# Altium PCB SuperCapV3Control.PcbDoc (part 2 of 2)
Units mm, origin at the board's own origin, x right, y up, seen from the top; angles counter-clockwise.
Board outline 60 x 75 mm, 4 copper layers (Top Layer, POWER, GND, Bottom Layer), stack 0.354 mm thick; 188 components, 116 nets, 567 pads, 172 vias.
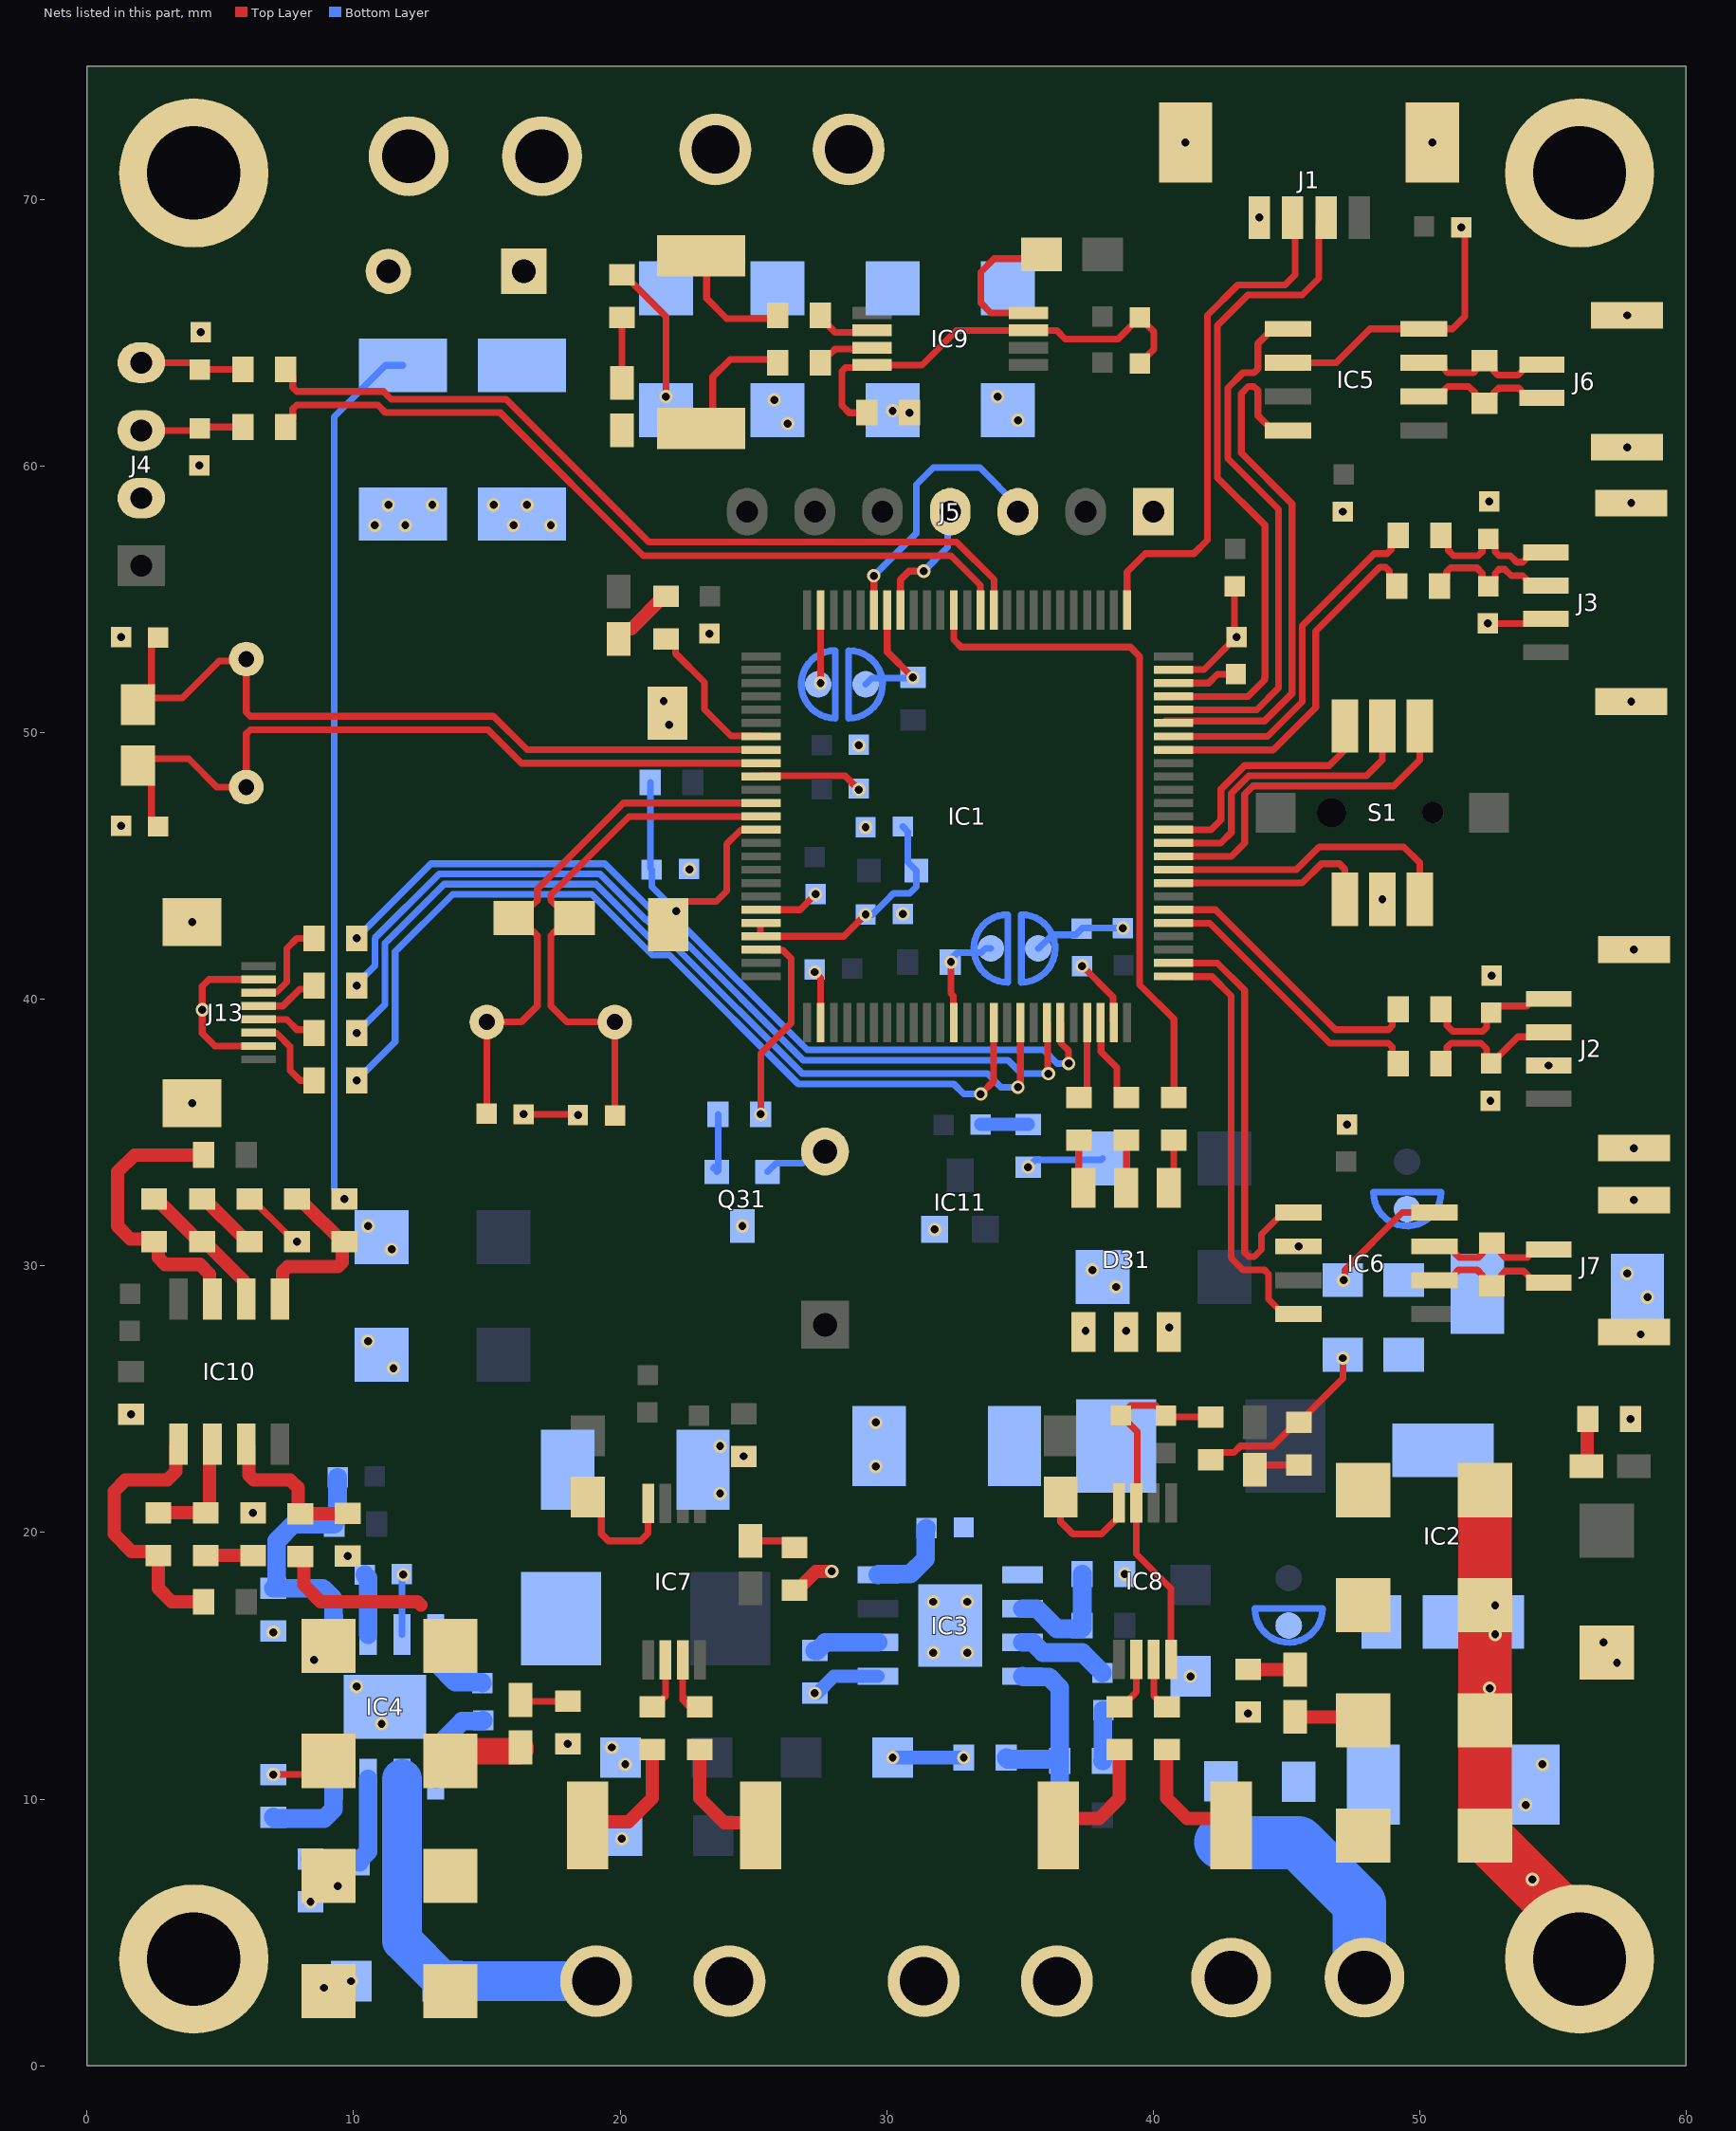
[diagram p4: the nets of this part, all layers, seen from the top]

## Via types
v1: diameter 0.5, hole 0.3, Top Layer to Bottom Layer, 172 vias

## Nets (pads, with @x,y where several pads share a name; then routed paths per layer and width w, separated by ;. In a path a pad name is that pad's centre, name@x,y a point inside that pad or via, vN(x,y) a via of type N, cw(c..) or ccw(c..) an arc to the next point about the centre after c; other vN are vias at no path point) (continued)
AGND3: C27.2 C28.1 IC8.4 IC8.7 R116.2 | length 13.6
  Top Layer w0.254: C27.2@38.788,24.389 39.164,24.765 40.099,24.765 C28.1@40.485,24.379 40.531,24.333 R116.2@42.164,24.333 ; C27.2@38.799,24.379 39.398,23.78 39.398,21.144 IC8.7@39.37,21.116 39.37,19.195 40.67,17.895 IC8.4@40.67,15.24
AGND4: C29.2 C30.1 IC9.4 IC9.7 R117.2 | length 16.8
  Top Layer w0.254: R117.2@29.261,62.005 29.256,62 28.597,62 28.321,62.276 28.321,63.563 28.456,63.697 29.349,63.697 IC9.4@29.447,63.795 31.324,63.795 32.624,65.095 IC9.7@35.323,65.095 36.378,65.095 36.703,64.77 38.685,64.77 C29.2@39.497,65.582 40.02,65.059 40.02,64.379 C30.1@39.497,63.856
AGND5: C61.1 R130.2 | length 1.8
  Bottom Layer w0.5: C61.1@33.528,35.306 R130.2@35.306,35.306
Battery_IN: C49.2 D51.A D60.K D61.K D62.K D63.K IC4.2 J8.1 R48.1 R113.1 R124.2 R125.2 | length 27.4
  Top Layer w0.5: R113.1@8.001,19.101 8.128,18.974 8.128,18.034 8.763,17.399 12.393,17.399 12.52,17.272 ; R124.2@18.786,9.017 18.913,9.144 20.32,9.144 21.209,10.033 R125.2@21.209,11.862
  Top Layer w1: D61.K@13.626,11.43 13.999,11.803 16.2,11.803 16.256,11.859 D51.A@16.256,11.938
  Bottom Layer w1.5: IC4.2@11.811,10.75 R48.1@11.811,7.62 11.811,4.693 C49.2@13.335,3.169 J8.1@19.1,3.169
BOOT0: DE1.2 IC1.94 R11.1 | length 4.8
  Top Layer w0.254: IC1.94@30.02,54.601 30.02,53.038 v1(30.988,52.07)
  Bottom Layer w0.254: DE1.2@29.21,51.816 29.443,52.049 29.823,52.049 30.967,52.049 v1(30.988,52.07)
BOOT1: DE2.2 IC1.37 R12.1 | length 4.1
  Top Layer w0.254: v1(32.414,41.402) 32.414,40.219 32.497,40.136 32.497,39.148 IC1.37@32.52,39.125
  Bottom Layer w0.254: R12.1@32.385,41.402 32.385,41.484 32.658,41.757 33.283,41.757 33.555,41.757 33.707,41.91 DE2.2@33.909,41.91
CAN1_H: IC5.7 J6.2 R52.1 | length 5.4
  Top Layer w0.254: IC5.7@50.159,63.881 50.734,63.881 50.907,63.708 50.907,63.649 51.056,63.5 52.019,63.5 52.079,63.56 52.079,63.684 52.352,63.957 R52.1@52.435,63.957 52.517,63.957 52.79,63.684 52.79,63.56 52.939,63.411 53.686,63.411 53.862,63.587 53.862,63.636 54.035,63.809 J6.2@54.585,63.809
CAN1_L: IC5.6 J6.1 R52.2 | length 5.4
  Top Layer w0.254: IC5.6@50.159,62.611 50.734,62.611 50.907,62.784 50.907,62.843 51.056,62.992 51.841,62.992 52.079,62.754 52.079,62.63 52.352,62.357 R52.2@52.435,62.357 52.517,62.357 52.79,62.63 52.79,62.754 52.966,62.93 53.713,62.93 53.862,62.781 53.862,62.732 54.035,62.559 J6.1@54.585,62.559
CAN1_RX_PA11: IC1.70 IC5.4 | length 20.3
  Top Layer w0.254: IC1.70@40.462,50.441 40.758,50.441 44.181,50.441 45.212,51.472 45.212,58.591 43.307,60.496 43.307,62.728 43.571,62.992 43.781,62.992 43.93,62.843 43.93,61.895 44.484,61.341 IC5.4@45.059,61.341
CAN1_TX_PA12: IC1.71 IC5.1 | length 20.1
  Top Layer w0.254: IC1.71@40.758,50.863 43.885,50.863 44.704,51.682 44.704,58.38 42.799,60.285 42.799,62.939 43.36,63.5 43.781,63.5 43.93,63.649 43.93,64.597 44.484,65.151 IC5.1@45.059,65.151
CAN2_H: IC6.7 J7.2 R53.1 | length 5.2
  Top Layer w0.254: IC6.7@50.556,30.734 51.131,30.734 51.304,30.561 51.304,30.502 51.491,30.315 52.201,30.315 52.35,30.464 52.35,30.588 52.623,30.861 R53.1@52.705,30.861 52.787,30.861 53.06,30.588 53.06,30.464 53.209,30.315 54.033,30.315 54.116,30.398 54.116,30.447 54.289,30.62 J7.2@54.839,30.62
CAN2_L: IC6.6 J7.1 R53.2 | length 5.3
  Top Layer w0.254: IC6.6@50.556,29.464 51.131,29.464 51.304,29.637 51.304,29.696 51.453,29.845 52.163,29.845 52.35,29.658 52.35,29.534 52.623,29.261 R53.2@52.705,29.261 52.787,29.261 53.06,29.534 53.06,29.658 53.209,29.807 53.901,29.807 54.116,29.592 54.116,29.543 54.289,29.37 J7.1@54.839,29.37
CAN2_RX_PB12: IC1.51 IC6.4 | length 16.3
  Top Layer w0.254: IC1.51@40.758,40.863 40.766,40.855 42.203,40.855 42.926,40.132 42.926,30.291 43.372,29.845 44.178,29.845 44.327,29.696 44.327,28.748 44.881,28.194 IC6.4@45.456,28.194
CAN2_TX_PB13: IC1.52 IC6.1 | length 16
  Top Layer w0.254: IC1.52@40.758,41.371 40.766,41.363 42.413,41.363 43.434,40.342 43.434,30.502 43.583,30.353 43.793,30.353 44.06,30.62 44.06,31.183 44.881,32.004 IC6.1@45.456,32.004
Cap: C57.1 C58.1 D53.A D68.K D69.K D70.K D71.K EC1.1 J12.1 R30.2 R101.2 R108.2 | length 37.7
  Top Layer w0.254: R101.2@23.038,61.42 23.476,61.858 23.476,63.354 24.13,64.008 25.781,64.008 R30.2@25.908,63.881
  Bottom Layer w0.254: v1(9.652,32.512) 9.271,32.893 9.271,61.855 11.195,63.779 C57.1@11.846,63.779
CCAP+: IC9.2 R29.1 | length 2.3
  Top Layer w0.254: R29.1@27.508,65.659 27.508,65.577 28.06,65.024 29.376,65.024 IC9.2@29.447,65.095
CCAP-: IC9.3 R30.1 | length 2.2
  Top Layer w0.254: R30.1@27.508,63.881 27.508,63.963 27.781,64.236 27.908,64.236 28.06,64.389 29.391,64.389 IC9.3@29.447,64.445
Chassis: D52.A D64.K D65.K D66.K D67.K J10.1 R26.2 R28.2 | length 7.3
  Top Layer w0.5: R28.2@40.513,11.862 40.513,10.033 41.275,9.271 42.672,9.271 R26.2@42.926,9.017 ; D52.A@45.332,13.081 47.752,13.081 D65.K@47.879,12.954
CIN+: IC7.2 R125.1 | length 2
  Top Layer w0.254: R125.1@21.209,13.462 21.291,13.462 21.7,13.87 IC7.2@21.7,15.223
CIN-: IC7.3 R123.1 | length 2.2
  Top Layer w0.254: IC7.3@22.35,15.223 22.35,13.872 22.352,13.87 22.352,13.716 22.606,13.462 R123.1@22.987,13.462
COUT+: IC8.2 R27.1 | length 2.1
  Top Layer w0.254: R27.1@38.735,13.462 38.817,13.462 39.37,14.015 IC8.2@39.37,15.24
COUT-: IC8.3 R28.1 | length 2
  Top Layer w0.254: IC8.3@40.02,15.24 40.02,13.872 40.431,13.462 R28.1@40.513,13.462
GND: C0.2 C1.1 C2.1 C3.1 C4.1 C5.1 C6.1 C7.1 C8.1 C10.1 C11.1 C12.1 C13.1 C14.1 C15.1 C16.1 C20.1 C21.1 C22.1 C23.1 C24.1 C25.1 C26.1 C41.1 C42.1 C43.1 C44.1 C45.1 C47.1 C49.1 C51.2 C53.1 C54.1 C55.2 C56.2 C57.2 C58.2 D31.2 D31.4 D31.6 D41.A D42.A D43.A D44.A D60.A D61.A D62.A D63.A D64.A D65.A D66.A D67.A D68.A D69.A D70.A D71.A D72.A D73.A D74.A D75.A D76.A DE1.1 DE2.1 EC1.2 IC1.10 IC1.20 IC1.27 IC1.74 IC1.99 IC2.1 IC3.5 IC3.9 IC4.7 IC4.9 IC5.2 IC5.8 IC6.2 IC6.8 IC11.3 J1.0 J1.4 J2.2 J2.5 J2.6 J3.2 J3.5 J3.6 J4.2 J5.1 J6.3 J6.4 J7.3 J7.4 J8.2 J9.2 J10.2 J11.2 J12.2 J13.0 J13.2 J13.7 K1.1 M3_1.1 M3_2.1 M3_3.1 M3_4.1 Q31.C R16.2 R42.1 R45.2 R46.1 R47.1 R49.1 R50.1 R100.2 R109.1 R114.1 R115.1 R116.1 R117.1 R118.1 R126.2 R130.1 R201.1 R202.1 R203.1 R204.1 R205.1 S1.2 | length 102.5
  Top Layer w0.254: R100.2@6.096,32.512 6.178,32.512 7.505,31.185 7.601,31.185 v1(7.874,30.912) ; J13.7@6.434,38.248 4.795,38.248 4.318,38.725 v1(4.318,39.607) 4.318,40.49 4.576,40.748 J13.2@6.434,40.748 ; v1(6.985,10.922) 8.546,10.922 D61.A@9.054,11.43 ; v1(16.383,35.687) 18.39,35.687 v1(18.415,35.662) ; R203.1@20.066,67.183 20.148,67.183 21.717,65.614 v1(21.717,62.611) ; IC1.20@25.282,43.363 26.751,43.363 v1(27.33,43.942) ; IC1.10@25.282,48.363 25.302,48.383 28.436,48.383 v1(28.956,47.863) ; v1(27.305,41.021) 27.52,40.806 IC1.27@27.52,39.125 ; v1(27.52,51.863) IC1.99@27.52,54.601 ; IC1.74@40.758,52.363 40.77,52.375 41.91,52.375 v1(43.129,53.594) 43.053,53.67 C3.1@43.053,55.499 ; R116.1@42.164,22.733 42.437,23.006 43.037,23.006 43.272,23.241 44.494,23.241 45.384,24.13 R205.1@45.466,24.13 45.548,24.13 45.821,24.403 45.821,24.485 47.117,25.781 v1(47.117,26.543) ; IC5.2@45.059,63.881 46.863,63.881 48.133,65.151 IC5.8@50.159,65.151 51.233,65.151 51.689,65.607 51.689,68.834 v1(51.562,68.961) ; v1(47.142,29.464) 47.189,29.511 47.189,29.841 49.352,32.004 IC6.8@50.556,32.004 ; v1(52.553,54.102) 54.57,54.102 J3.2@54.737,54.269
  Top Layer w0.5: R204.1@26.543,17.831 26.625,17.831 27.336,18.542 v1(27.94,18.542)
  Top Layer w2: D67.A@52.451,21.59 D66.A@52.451,17.272 D65.A@52.451,12.954 D64.A@52.451,8.636 55.311,5.776 55.311,4.689 M3_3.1@56,4
  Bottom Layer w0.254: IC4.7@11.811,16.174 C51.2@11.811,18.44 ; v1(35.306,33.706) 35.579,33.979 38.043,33.979 D75.A@38.1,34.036 ; DE2.1@35.687,41.91 35.709,41.91 36.216,42.417 37.086,42.418 C1.1@37.313,42.645 37.34,42.672 v1(38.862,42.672)
  Bottom Layer w0.5: v1(27.305,13.97) 27.387,13.97 28.022,14.605 IC3.5@29.673,14.605 ; v1(30.226,11.557) v1(32.893,11.557)
  Bottom Layer w2: C41.1@42.545,8.382 42.563,8.364 C42.1@45.456,8.364 47.735,6.085 47.735,3.493 J10.2@47.926,3.302
  other v1: 8.89,2.921 9.906,3.169 8.382,6.147 9.398,6.731 54.229,6.985 20.066,8.509 53.975,9.779 20.193,11.303 54.61,11.303 19.685,11.938 18.034,12.065 11.049,12.827 43.561,13.208 52.623,14.16 10.109,14.224 41.402,14.605 57.404,15.113 8.509,15.223 31.75,15.494 33.02,15.494 56.896,15.875 52.832,16.174 6.985,16.256 52.832,17.272 31.75,17.399 33.02,17.399 11.862,18.415 38.938,18.44 9.779,19.118 6.223,20.739 23.749,21.463 29.591,22.479 24.638,22.86 23.749,23.241 29.591,24.13 57.912,24.257 1.651,24.435 11.493,26.162 10.541,27.178 58.293,27.432 37.465,27.559 38.989,27.559 40.601,27.686 58.547,28.829 38.608,29.21 57.785,29.718 37.719,29.845 11.43,30.62 45.456,30.734 31.801,31.369 10.541,31.496 24.587,31.496 58.039,32.47 58.039,34.417 47.269,35.306 3.937,36.098 52.654,36.195 54.839,37.517 52.705,40.894 58.039,41.867 3.937,42.898 30.607,43.205 48.6,43.75 22.606,44.875 29.21,46.457 1.27,46.507 28.956,49.53 21.844,50.292 21.635,51.181 57.937,51.169 1.27,53.594 23.343,53.721 10.795,57.785 11.938,57.785 16.002,57.785 17.399,57.785 47.117,58.293 11.303,58.547 12.954,58.547 15.253,58.547 16.507,58.547 57.937,58.619 52.603,58.674 4.207,60.023 57.785,60.709 26.289,61.595 34.925,61.722 30.861,62.005 30.226,62.081 25.781,62.484 34.163,62.611 4.258,65.024 57.785,65.659 43.986,69.325 41.215,72.136 50.479,72.136
LED_PC13: IC1.7 R15.2 | length 5.8
  Top Layer w0.254: R15.2@21.717,53.518 21.799,53.518 22.072,53.245 22.072,52.985 23.165,51.892 23.165,50.876 24.164,49.877 25.267,49.877 IC1.7@25.282,49.863
NetB31_2: B31.2 Q31.E | length 2.8
  Bottom Layer w0.254: Q31.E@25.527,33.528 25.857,33.858 26.836,33.858 27.268,34.29 B31.2@27.686,34.29 B31.2@27.686,33.974
NetC21_2: C21.2 J2.3 R20.1 | length 5.5
  Top Layer w0.254: R20.1@50.8,37.592 51.026,37.818 51.026,38.205 51.174,38.354 52.299,38.354 52.511,38.142 52.511,37.761 52.848,37.761 53.682,38.594 54.666,38.594 J2.3@54.839,38.767
NetC22_2: C22.2 J2.4 R21.1 | length 5.3
  Top Layer w0.254: R21.1@50.8,39.624 51.026,39.398 51.026,39.011 51.238,38.798 52.362,38.798 52.511,38.947 52.511,39.328 C22.2@52.68,39.497 52.934,39.751 54.023,39.751 54.289,40.017 J2.4@54.839,40.017
NetC23_2: C23.2 J3.3 R22.1 | length 5.6
  Top Layer w0.254: R22.1@50.736,55.499 51.009,55.772 51.009,56.036 51.158,56.184 52.147,56.184 52.346,55.985 52.346,55.731 C23.2@52.578,55.499 52.832,55.753 52.832,55.985 52.981,56.134 53.191,56.134 53.435,55.89 53.865,55.89 54.014,55.741 54.014,55.692 54.187,55.519 J3.3@54.737,55.519
NetC24_2: C24.2 J3.4 R23.1 | length 5.5
  Top Layer w0.254: R23.1@50.8,57.404 51.073,57.131 51.073,56.841 51.272,56.642 52.197,56.642 52.346,56.791 52.346,57.045 C24.2@52.578,57.277 52.832,57.023 52.832,56.791 52.981,56.642 53.402,56.642 53.646,56.398 53.865,56.398 54.014,56.547 54.014,56.596 54.187,56.769 J3.4@54.737,56.769
NetC25_2: C25.2 J4.4 R25.2 | length 3.9
  Top Layer w0.254: J4.4@2.032,63.881 3.979,63.881 C25.2@4.233,63.627 R25.2@5.842,63.627
NetC26_2: C26.2 J4.3 R24.2 | length 3.9
  Top Layer w0.254: J4.3@2.032,61.341 4.154,61.341 C26.2@4.233,61.42 4.281,61.468 R24.2@5.842,61.468
NetC41_2: C41.2 C42.2 D41.K DE3.2 IC2.3
NetC43_2: C43.2 C44.2 D42.K DE4.2 IC2.2
NetC46_1: C46.1 R44.2 | length 1.9
  Bottom Layer w0.7: R44.2@38.1,11.43 38.113,11.443 38.113,13.322 C46.1@38.125,13.335
NetC46_2: C46.2 IC3.3 | length 3.5
  Bottom Layer w0.7: IC3.3@35.097,15.875 35.484,15.875 35.865,15.494 37.338,15.494 C46.2@38.1,14.732
NetC48_1: C48.1 D43.K IC3.1 L31.2
NetC48_2: C48.2 IC3.8 | length 3.2
  Bottom Layer w0.7: IC3.8@29.673,18.415 29.698,18.44 30.886,18.44 31.465,19.019 31.465,20.137 C48.2@31.496,20.168
NetC50_1: C50.1 IC4.1 | length 3.4
  Bottom Layer w0.7: IC4.1@13.081,10.75 13.106,10.775 13.106,11.963 14.066,12.923 14.828,12.923 C50.1@14.859,12.954
NetC50_2: C50.2 D44.K IC4.8 L32.1 | length 3.1
  Bottom Layer w0.7: IC4.8@13.081,16.174 13.106,16.149 13.106,15.088 13.812,14.382 14.803,14.382 C50.2@14.834,14.351
NetC51_1: C51.1 IC4.6 | length 2.3
  Bottom Layer w0.7: C51.1@10.414,18.415 10.541,18.288 IC4.6@10.541,16.174
NetC52_1: C52.1 IC4.5 R50.2 R51.1 | length 9.8
  Bottom Layer w0.7: R50.2@6.985,17.907 R50.2@7.062,17.907 ; IC4.5@9.271,16.174 9.246,16.199 9.246,17.497 8.836,17.907 R50.2@7.062,17.907 ; C52.1@9.398,22.073 9.398,20.529 9.271,20.402 R51.1@9.271,20.32 7.747,20.32 7.112,19.685 7.112,17.957 R50.2@7.062,17.907
NetD1_K: D1.K R16.1 | length 1.8
  Top Layer w0.5: D1.K@56.261,22.479 56.287,22.505 56.287,24.231 R16.1@56.312,24.257
NetD2_K: D2.K R15.1 | length 2.6
  Top Layer w0.5: D2.K@19.939,53.518 19.939,53.709 20.134,53.903 20.42,53.903 21.635,55.118 R15.1@21.717,55.118
NetD31_1: D31.1 R31.2 | length 1.9
  Top Layer w0.254: D31.1@40.589,32.931 40.767,33.109 R31.2@40.767,34.722
NetD31_3: D31.3 R33.2 | length 1.8
  Top Layer w0.254: D31.3@38.989,32.931 R33.2@38.989,34.722
NetD31_5: D31.5 R32.2 | length 1.9
  Top Layer w0.254: R32.2@37.211,34.722 37.211,33.109 D31.5@37.389,32.931
NetD51_K: D51.K R201.2 | length 1.8
  Top Layer w0.254: D51.K@16.256,13.716 16.307,13.665 R201.2@18.034,13.665
NetD52_K: D52.K R202.2 | length 1.8
  Top Layer w0.5: R202.2@43.561,14.859 D52.K@45.332,14.859
NetD53_K: D53.K R203.2 | length 2.5
  Top Layer w0.254: D53.K@20.066,63.119 R203.2@20.066,65.583
NetD54_K: D54.K R204.2 | length 1.8
  Top Layer w0.254: D54.K@24.885,19.685 26.289,19.685 R204.2@26.543,19.431
NetD55_K: D55.K R205.2 | length 1.7
  Top Layer w0.254: D55.K@43.822,22.352 44,22.53 R205.2@45.466,22.53
NetIC3_2: IC3.2 R41.2 R42.2 | length 4.6
  Bottom Layer w0.7: IC3.2@35.097,17.145 35.627,17.145 36.389,16.383 37.288,16.383 37.338,16.433 R41.2@37.338,16.51 R42.2@37.338,18.44
NetIC3_4: IC3.4 R43.2 R44.1 R45.1 | length 8.4
  Bottom Layer w0.7: R45.1@34.493,11.557 34.493,11.543 34.543,11.493 36.45,11.493 R44.1@36.5,11.444 ; IC3.4@35.097,14.605 35.122,14.58 36.09,14.58 36.5,14.17 R44.1@36.5,11.444 ; R43.2@36.5,9.398 R44.1@36.5,11.43 R44.1@36.5,11.444
NetIC3_6: IC3.6 R46.2 | length 2.5
  Bottom Layer w0.7: R46.2@27.305,15.57 27.387,15.57 27.693,15.875 IC3.6@29.673,15.875
NetIC4_3: IC4.3 R47.2 R48.2 | length 5.1
  Bottom Layer w0.7: R47.2@8.382,7.747 8.432,7.697 10.161,7.697 R48.2@10.211,7.647 ; R48.2@10.211,7.62 R48.2@10.211,7.647 ; IC4.3@10.541,10.75 10.541,8.032 10.211,7.702 R48.2@10.211,7.647
NetIC4_4: IC4.4 R49.2 | length 3.6
  Bottom Layer w0.7: R49.2@6.985,9.322 7.035,9.272 8.386,9.272 8.387,9.271 8.89,9.271 9.246,9.627 9.246,10.725 IC4.4@9.271,10.75
NetIC7_8: IC7.8 R102.1 | length 4.7
  Top Layer w0.254: R102.1@18.786,21.336 19.294,20.828 19.294,19.949 19.558,19.685 20.764,19.685 21.05,19.97 IC7.8@21.05,21.099
NetIC8_8: IC8.8 R103.1 | length 4.1
  Top Layer w0.254: R103.1@36.528,21.336 36.528,20.399 36.978,19.949 38.066,19.949 38.72,20.603 IC8.8@38.72,21.116
NetIC9_8: IC9.8 R104.1 | length 5.7
  Top Layer w0.254: IC9.8@35.323,65.745 33.909,65.745 33.528,66.126 33.528,67.277 34.036,67.785 35.654,67.785 R104.1@35.814,67.945
NetIC10_1: IC10.1 R110.2 R111.2 | length 10.4
  Top Layer w0.5: IC10.1@3.429,23.31 3.329,23.21 3.329,22.291 3.009,21.971 1.436,21.971 1.016,21.551 1.016,19.939 1.666,19.289 2.517,19.289 R111.2@2.667,19.139 2.667,17.907 3.175,17.399 R110.2@4.369,17.399
NetIC10_2: IC10.2 R111.1 R112.2 | length 4.5
  Top Layer w0.5: R111.1@2.667,20.739 R112.2@4.445,20.739 4.449,20.739 4.599,20.889 4.599,23.21 IC10.2@4.699,23.31
NetIC10_3: IC10.3 R113.2 R114.2 | length 6
  Top Layer w0.5: IC10.3@5.969,23.31 6.069,23.21 6.069,22.158 6.256,21.971 7.62,21.971 7.913,21.678 7.913,20.789 R113.2@8.001,20.701 8.01,20.71 9.771,20.71 R114.2@9.779,20.718
NetIC10_5: IC10.5 R108.1 R109.2 | length 6.7
  Top Layer w0.5: IC10.5@7.239,28.76 7.339,28.86 7.339,29.779 7.532,29.972 9.406,29.972 9.57,30.135 9.57,30.83 R108.1@9.652,30.912 9.57,30.912 8.12,32.362 8.024,32.362 R109.2@7.874,32.512
NetIC10_6: IC10.6 R106.1 R107.1 | length 5.3
  Top Layer w0.5: R106.1@2.517,32.512 2.599,32.512 4.049,31.062 4.168,31.062 R107.1@4.318,30.912 4.4,30.912 5.869,29.444 5.869,28.86 IC10.6@5.969,28.76
NetIC10_7: IC10.7 R105.1 R106.2 | length 11
  Top Layer w0.5: R105.1@4.369,34.163 1.778,34.163 1.143,33.528 1.143,31.496 1.625,31.014 2.333,31.014 2.585,30.762 2.667,30.762 2.667,30.309 2.921,30.055 4.235,30.055 4.599,29.691 4.599,28.86 IC10.7@4.699,28.76
NetJ9_1: J9.1 R26.1 R27.2 R123.2 R124.1 | length 9.1
  Top Layer w0.5: R123.2@22.987,11.862 22.987,10.033 23.915,9.105 25.175,9.105 R124.1@25.263,9.017 ; R26.1@36.449,9.017 36.703,9.271 37.973,9.271 38.735,10.033 R27.2@38.735,11.862
NetJ11_1: J11.1 R29.2 R101.1 | length 4.7
  Top Layer w0.254: R101.1@23.038,67.897 23.241,67.694 23.241,66.294 24.003,65.532 25.781,65.532 R29.2@25.908,65.659
NetJ13_3: J13.3 R122.1 | length 3.7
  Top Layer w0.254: J13.3@6.434,40.248 6.457,40.271 7.116,40.271 7.493,40.648 7.493,41.91 7.874,42.291 R122.1@8.509,42.291
NetJ13_4: J13.4 R121.1 | length 2.4
  Top Layer w0.254: J13.4@6.434,39.748 7.344,39.748 7.982,40.386 8.382,40.386 R121.1@8.509,40.513
NetJ13_5: J13.5 R120.1 | length 2.3
  Top Layer w0.254: J13.5@6.434,39.248 7.488,39.248 7.874,38.862 8.382,38.862 R120.1@8.509,38.735
NetJ13_6: J13.6 R119.1 | length 3.3
  Top Layer w0.254: J13.6@6.434,38.748 6.457,38.725 7.116,38.725 7.62,38.221 7.62,37.328 7.991,36.957 R119.1@8.509,36.957
NetQ31_B: Q31.B R34.1 | length 2.3
  Bottom Layer w0.254: Q31.B@23.495,33.655 Q31.B@23.546,33.706 ; Q31.B@23.622,33.528 23.673,33.579 R34.1@23.673,35.687
OLED_SCL_PB8: IC1.95 J5.3 | length 10.3
  Top Layer w0.254: IC1.95@29.52,54.601 v1(29.52,55.89)
  Bottom Layer w0.254: v1(29.52,55.89) 31.115,57.485 31.115,59.309 31.75,59.944 33.493,59.944 34.925,58.512 J5.3@34.925,58.293
OLED_SDA_PB7: IC1.93 J5.4 | length 4.8
  Top Layer w0.254: IC1.93@30.52,54.601 30.52,55.741 30.841,56.062 v1(31.389,56.062)
  Bottom Layer w0.254: v1(31.389,56.062) 32.284,56.956 32.284,58.192 J5.4@32.385,58.293
OS_8M_IN: C11.2 IC1.12 R13.2 X10.2 | length 20.7
  Top Layer w0.254: C11.2@14.986,35.712 14.999,35.725 X10.2@14.999,39.148 16.288,39.148 16.891,39.751 16.891,42.396 16.742,42.545 16.51,42.545 R13.2@16.002,43.053 16.51,43.561 16.742,43.561 16.891,43.71 16.891,44.131 20.123,47.363 IC1.12@25.282,47.363
OS_8M_OUT: C12.2 IC1.13 R13.1 X10.1 | length 20.4
  Top Layer w0.254: C12.2@19.812,35.636 19.799,35.649 X10.1@19.799,39.148 18.002,39.148 17.399,39.751 17.399,42.396 17.548,42.545 17.78,42.545 R13.1@18.288,43.053 17.78,43.561 17.548,43.561 17.399,43.71 17.399,43.92 20.334,46.855 25.274,46.855 IC1.13@25.282,46.863
OS_32K_IN: C13.2 IC1.8 R14.2 X11.2 | length 29.1
  Top Layer w0.254: R14.2@1.905,51.054 R14.2@2.159,51.308 ; C13.2@2.667,53.569 2.413,53.315 2.413,51.562 R14.2@2.159,51.308 ; IC1.8@25.282,49.363 16.507,49.363 15.253,50.617 6.118,50.617 5.969,50.766 X11.2@5.969,52.763 5.896,52.69 4.954,52.69 3.572,51.308 R14.2@2.159,51.308
OS_32K_OUT: C14.2 IC1.9 R14.1 X11.1 | length 28.9
  Top Layer w0.254: C14.2@2.667,46.482 2.413,46.736 2.413,48.768 2.159,49.022 3.81,49.022 4.869,47.963 X11.1@5.969,47.963 5.969,49.96 6.118,50.109 15.042,50.109 16.296,48.855 25.274,48.855 IC1.9@25.282,48.863
RST: C10.2 IC1.14 K1.3 R10.1 | length 11.4
  Top Layer w0.254: K1.3@21.799,42.799 21.799,43.049 22.422,43.672 23.606,43.672 24.003,44.069 24.003,45.831 24.512,46.34 25.259,46.34 IC1.14@25.282,46.363
  Bottom Layer w0.254: R10.1@21.133,48.133 21.133,44.914 C10.2@21.184,44.863 21.184,44.221 v1(22.098,43.307)
"SWCLK PA14": IC1.76 J1.3 | length 19.5
  Top Layer w0.254: IC1.76@39.02,54.601 39.02,56.038 39.701,56.719 41.529,56.719 42.032,57.222 42.032,65.654 43.18,66.802 44.951,66.802 45.332,67.183 45.332,69.229 J1.3@45.236,69.325
"SWDIO PA13": IC1.72 J1.2 | length 24.6
  Top Layer w0.254: IC1.72@40.758,51.363 43.561,51.363 44.178,51.98 44.178,52.07 44.196,52.088 44.196,57.785 42.413,59.568 42.413,65.278 43.556,66.421 45.593,66.421 46.213,67.041 46.213,69.052 J1.2@46.486,69.325
TIM1_CH1_PE9: IC1.40 R119.2 | length 34.3
  Top Layer w0.254: v1(33.528,36.449) 34.02,36.941 IC1.40@34.02,39.125
  Bottom Layer w0.254: v1(10.109,36.957) 11.557,38.405 11.557,41.783 13.716,43.942 18.927,43.942 21.209,41.66 21.849,41.66 26.679,36.83 32.512,36.83 32.893,36.449 v1(33.528,36.449)
TIM1_CH2_PE11: IC1.42 R120.2 | length 34.1
  Top Layer w0.254: v1(34.925,36.703) 34.925,36.77 35.02,36.865 IC1.42@35.02,39.125
  Bottom Layer w0.254: v1(10.109,38.735) 11.176,39.802 11.176,42.1 13.399,44.323 19.085,44.323 21.367,42.041 22.007,42.041 26.837,37.211 33.782,37.211 34.29,36.703 v1(34.925,36.703)
TIM1_CH3_PE13: IC1.44 R121.2 | length 33.4
  Top Layer w0.254: IC1.44@36.02,39.125 36.043,39.102 36.043,37.236 v1(36.068,37.211)
  Bottom Layer w0.254: v1(10.109,40.513) 10.109,40.562 10.795,41.248 10.795,42.291 13.208,44.704 19.242,44.704 20.959,42.987 20.99,42.987 21.545,42.432 21.721,42.432 21.731,42.422 22.165,42.422 26.868,37.719 34.544,37.719 35.052,37.211 v1(36.068,37.211)
TIM1_CH4_PE14: IC1.45 R122.2 | length 32.6
  Top Layer w0.254: IC1.45@36.52,39.125 36.543,39.102 36.543,38.355 36.83,38.068 v1(36.83,37.592)
  Bottom Layer w0.254: v1(10.109,42.291) 12.903,45.085 19.431,45.085 21.703,42.813 21.879,42.813 21.889,42.803 22.307,42.803 22.315,42.811 27.026,38.1 35.892,38.1 36.4,37.592 v1(36.83,37.592)
TIM2_CH1_PA0: IC1.23 R34.2 | length 7.6
  Top Layer w0.254: v1(25.273,35.687) 25.282,35.696 25.282,37.973 26.416,39.107 26.416,41.529 26.105,41.84 25.305,41.84 IC1.23@25.282,41.863
TIM2_CH2_PB3: IC1.89 R31.1 | length 25.4
  Top Layer w0.254: IC1.89@32.52,54.601 32.52,53.489 32.796,53.213 39.147,53.213 39.497,52.863 39.497,40.54 40.781,39.256 40.781,36.336 R31.1@40.767,36.322
TIM2_CH3_PB10: IC1.47 R32.1 | length 3
  Top Layer w0.254: R32.1@37.211,36.322 37.247,36.322 37.52,36.595 IC1.47@37.52,39.125
TIM2_CH4_PB11: IC1.48 R33.1 | length 3.3
  Top Layer w0.254: IC1.48@38.02,39.125 38.043,39.102 38.043,38.03 38.634,37.439 38.634,36.595 38.907,36.322 R33.1@38.989,36.322
USART1_RX_PA10: IC1.69 R23.2 | length 13.4
  Top Layer w0.254: IC1.69@40.758,49.863 44.295,49.863 45.593,51.161 45.593,54.018 48.294,56.719 48.778,56.719 48.927,56.867 48.927,57.131 R23.2@49.2,57.404
USART1_TX_PA9: IC1.68 R22.2 | length 13.4
  Top Layer w0.254: IC1.68@40.758,49.355 44.506,49.355 46.101,50.95 46.101,53.807 48.504,56.211 48.715,56.211 48.864,56.062 48.864,55.772 R22.2@49.137,55.499
USART2_RX_PD6: IC1.87 R24.1 | length 30.4
  Top Layer w0.254: R24.1@7.442,61.468 7.715,61.741 7.715,62.145 7.864,62.293 10.911,62.293 11.199,62.005 15.508,62.005 20.872,56.642 32.414,56.642 33.52,55.536 IC1.87@33.52,54.601
USART2_TX_PD5: IC1.86 R25.1 | length 31.2
  Top Layer w0.254: R25.1@7.442,63.627 7.715,63.354 7.715,62.95 7.864,62.801 11.121,62.801 11.409,62.513 15.719,62.513 21.082,57.15 32.624,57.15 34.028,55.746 34.028,54.609 IC1.86@34.02,54.601
USART3_RX_PD9: IC1.56 R21.2 | length 10.9
  Top Layer w0.254: IC1.56@40.758,43.371 40.766,43.363 42.336,43.363 46.837,38.862 48.826,38.862 48.974,39.011 48.974,39.398 R21.2@49.2,39.624
USART3_TX_PD8: IC1.55 R20.2 | length 10.9
  Top Layer w0.254: IC1.55@40.758,42.863 40.766,42.855 42.125,42.855 46.626,38.354 48.826,38.354 48.974,38.205 48.974,37.818 R20.2@49.2,37.592
User_Key1_PD11: IC1.58 S1.1 | length 8
  Top Layer w0.254: IC1.58@40.758,44.363 45.593,44.363 46.315,45.085 46.99,45.085 47.2,44.875 S1.1@47.2,43.75
User_Key2_PD12: IC1.59 S1.3 | length 11.2
  Top Layer w0.254: IC1.59@40.758,44.863 45.371,44.863 46.228,45.72 49.403,45.72 50,45.123 S1.3@50,43.75
User_Key3_PD13: IC1.60 S1.4 | length 13.1
  Top Layer w0.254: IC1.60@40.758,45.363 42.934,45.363 43.434,45.863 43.434,47.693 43.747,48.006 49.022,48.006 50,48.984 S1.4@50,50.25
User_Key4_PD14: IC1.61 S1.5 | length 11.3
  Top Layer w0.254: IC1.61@40.758,45.863 42.536,45.863 42.934,46.261 42.934,47.732 43.589,48.387 48.006,48.387 48.6,48.981 S1.5@48.6,50.25
User_Key5_PD15: IC1.62 S1.6 | length 9.2
  Top Layer w0.254: IC1.62@40.758,46.363 42.172,46.363 42.545,46.736 42.545,47.882 43.431,48.768 46.609,48.768 47.2,49.359 S1.6@47.2,50.25
VCAP-: R100.1 R107.2 | length 2.4
  Top Layer w0.5: R107.2@4.318,32.512 4.4,32.512 5.85,31.062 5.946,31.062 R100.1@6.096,30.912
VCAP_1: C1.2 IC1.49 | length 2.6
  Top Layer w0.254: v1(37.338,41.248) 38.497,40.089 38.497,39.148 IC1.49@38.52,39.125
VCAP_2: C2.2 IC1.73 | length 2.5
  Top Layer w0.254: IC1.73@40.758,51.863 42.079,51.863 42.413,52.197 C2.2@43.104,52.197
VDDA: C15.2 C16.2 IC1.21 IC1.22 L1.1 | length 9.6
  Top Layer w0.254: IC1.21@25.282,42.863 25.259,42.84 25.259,42.386 IC1.22@25.282,42.363 28.393,42.363 v1(29.21,43.18)
  Bottom Layer w0.254: v1(29.21,43.18) 29.464,43.18 29.972,43.688 29.972,43.692 30.254,43.974 30.861,43.974 31.115,44.228 L1.1@31.115,44.831 30.797,45.148 30.797,46.291 C16.2@30.607,46.482
VIN-: R112.1 R126.1 | length 1.8
  Top Layer w0.5: R112.1@4.445,19.139 R126.1@6.223,19.139
pads on no net: IC1.1 IC1.2 IC1.3 IC1.4 IC1.5 IC1.15 IC1.16 IC1.17 IC1.18 IC1.32 IC1.33 IC1.34 IC1.35 IC1.36 IC1.38 IC1.39 IC1.41 IC1.43 IC1.46 IC1.53 IC1.54 IC1.57 IC1.63 IC1.64 IC1.65 IC1.66 IC1.67 IC1.77 IC1.78 IC1.79 IC1.80 IC1.81 IC1.82 IC1.83 IC1.84 IC1.85 IC1.88 IC1.90 IC1.91 IC1.92 IC1.96 IC1.97 IC1.98 IC5.5 IC6.5 IC7.1 IC8.1 IC9.1 J5.5 J5.6 J5.7 S1.0

## Polygon pours and split planes (outlines as drawn)
NetJ11_1 on Top Layer "Top Layer-NetJ11_1" (solid, remove dead copper, pour order 52): 21.209,73.533 25.263,73.533 25.263,67.06 21.082,67.06
Cap on Top Layer "Top Layer-Cap" (solid, remove dead copper, pour order 50): 14.732,73.406 14.859,73.533 18.669,73.533 18.669,62.347 18.786,62.23 24.765,62.23 24.765,59.436 23.495,59.436 23.495,58.293 23.368,58.166 20.32,58.166 15.684,62.801 14.541,62.801 14.605,62.865 14.605,73.66
Chassis on Top Layer "CHASSIS_L01_P016" (solid, remove dead copper, pour order 16): 42.164,10.668 42.164,5.588 40.758,5.588 40.767,5.579 40.767,1.152 40.758,1.143 44.831,1.143 44.831,5.715 49.022,5.715 49.022,22.606 48.895,22.733 48.768,22.606 46.7,22.606 46.7,10.759 46.609,10.668
NetJ9_1 on Top Layer "Top Layer-NetJ9_1 1" (solid, remove dead copper, pour order 14): 34.163,7.874 34.163,0.889 38.788,0.889 38.788,6.858 37.389,6.858 37.389,7.874
NetJ9_1 on Top Layer "NETJ9_1_L01_P008" (solid, remove dead copper, pour order 8): 24.384,10.795 37.338,10.795 37.389,10.744 37.389,7.239 24.384,7.239
Battery_IN on Top Layer "BATTERY_IN_L01_P006" (solid, remove dead copper, pour order 6): 13.785,10.668 19.558,10.668 19.558,6.223 13.912,6.223
Battery_IN on Top Layer "Top Layer-Battery_IN" (solid, remove dead copper, pour order 2): 11.811,17.831 11.862,17.78 14.986,17.78 14.986,7.239 20.701,7.239 20.828,0.762 11.557,0.762 11.557,17.653 11.43,17.78
NetC48_1 on Bottom Layer "NETC48_1_L04_P028" (solid, remove dead copper, pour order 28): 40.132,25.019 32.435,25.019 32.435,19.685 40.132,19.685
Cap on Bottom Layer "Bottom Layer-Cap" (solid, remove dead copper, pour order 54): 14.605,68.072 35.814,68.072 35.814,64.453 35.877,64.389 35.242,63.754 18.415,63.754 18.415,62.865 18.542,62.738 10.154,62.738 9.906,62.986 9.906,65.532 14.605,65.532
NetC43_2 on Bottom Layer "NETC43_2_L04_P046" (solid, remove dead copper, pour order 46): 48.133,32.893 48.133,31.623 48.514,30.988 48.514,30.734 48.514,21.971 50.165,21.971 50.165,15.57 51.638,15.57 51.689,15.621 51.689,21.971 53.213,21.971 53.213,32.893
no net on Bottom Layer "Bottom Layer-No Net" (solid, remove dead copper, pour order 44): 53.34,33.02
NetC41_2 on Bottom Layer "Bottom Layer-NetC41_2" (solid, remove dead copper, pour order 38): 49.403,17.653 47.752,17.653 47.752,17.272 43.561,17.272 43.561,15.748 44.704,15.748 44.704,11.557 41.797,11.557 41.783,11.543 41.783,9.779 47.117,9.779 47.117,8.89 49.403,8.89
NetC48_1 on Bottom Layer "Bottom Layer-NetC48_1" (solid, remove dead copper, pour order 34): 45.456,36.83
5V on Bottom Layer "Bottom Layer-5V" (solid, remove dead copper, pour order 32): 43.688,35.052 41.797,35.052 41.797,18.86 40.64,18.86 40.64,17.399 40.767,17.526 46.609,17.526 46.609,25.019 46.482,25.146 43.815,25.146 43.815,34.925
NetC48_1 on Bottom Layer "NETC48_1_L04_P030" (solid, remove dead copper, pour order 30): 35.865,18.161 34.163,18.161 34.163,20.365 35.865,20.365
12V on Bottom Layer "Bottom Layer-12V" (solid, remove dead copper, pour order 20): 25.654,18.542 22.479,18.542 22.479,7.698 22.428,7.647 22.455,7.62 27.686,7.62 27.686,12.446 25.654,12.446
NetC50_2 on Bottom Layer "NETC50_2_L04_P018" (solid, remove dead copper, pour order 18): 19.1,23.876 15.875,23.876 15.875,17.145 15.748,17.018 12.7,17.018 12.7,15.367 15.748,15.367 15.748,14.986 19.304,14.986 19.304,18.669 19.05,18.669 19.05,23.826
3V3 on POWER (split plane): 59.49,0.51 0.51,0.51 0.51,74.49 59.49,74.49
GND on GND (split plane): 59.49,0.51 0.51,0.51 0.51,74.49 59.49,74.49

## Keep-outs
Keep-Out Layer:
  the board outline again, w0.508

## Silkscreen, mask and mechanical layers (free items; w line width, h text height)
Top Overlay:
  drawing of 3041 lines, arcs and shapes, not listed
  text "SRM" at 31.877,73.025 h2
  text "SuperCap" at 31.877,71.374 h2
  text "CAP" at 8.636,69.85 h2 r90
  text "Control" at 31.801,69.698 h2
  text "GND" at 43.294,69.469 h1 r180
  text "+" at 47.396,67.183 h2
  text "CAN1" at 54.229,64.77 h1 r90
  text "GND" at 3.734,58.039 h1
  text "+" at 3.644,55.88 h2
  text "USART1" at 54.356,49.022 h1 r90
  text "USART3" at 54.661,40.564 h1 r90
  text "Designed by SRM" at 7.747,28.067 h2
  text "CAN2" at 54.648,26.289 h1 r90
  text "@Rodeson" at 8.001,25.903 h2
  text "V3.0" at 8.255,23.495 h2
  text "Battery" at 16.3,1.016 h2 r90
  text "Chassis" at 51.943,0.502 h2 r90
Mechanical 1:
  the board outline again, w0.254